# Altium PCB hellen1-72.PcbDoc (part 1 of 3)
Units mm, origin at the board's own origin, x right, y up, seen from the top; angles counter-clockwise.
Board outline 154 x 159 mm, 2 copper layers (Top Layer, Bottom Layer), stack 1.171 mm thick; 126 components, 209 nets, 837 pads, 488 vias.
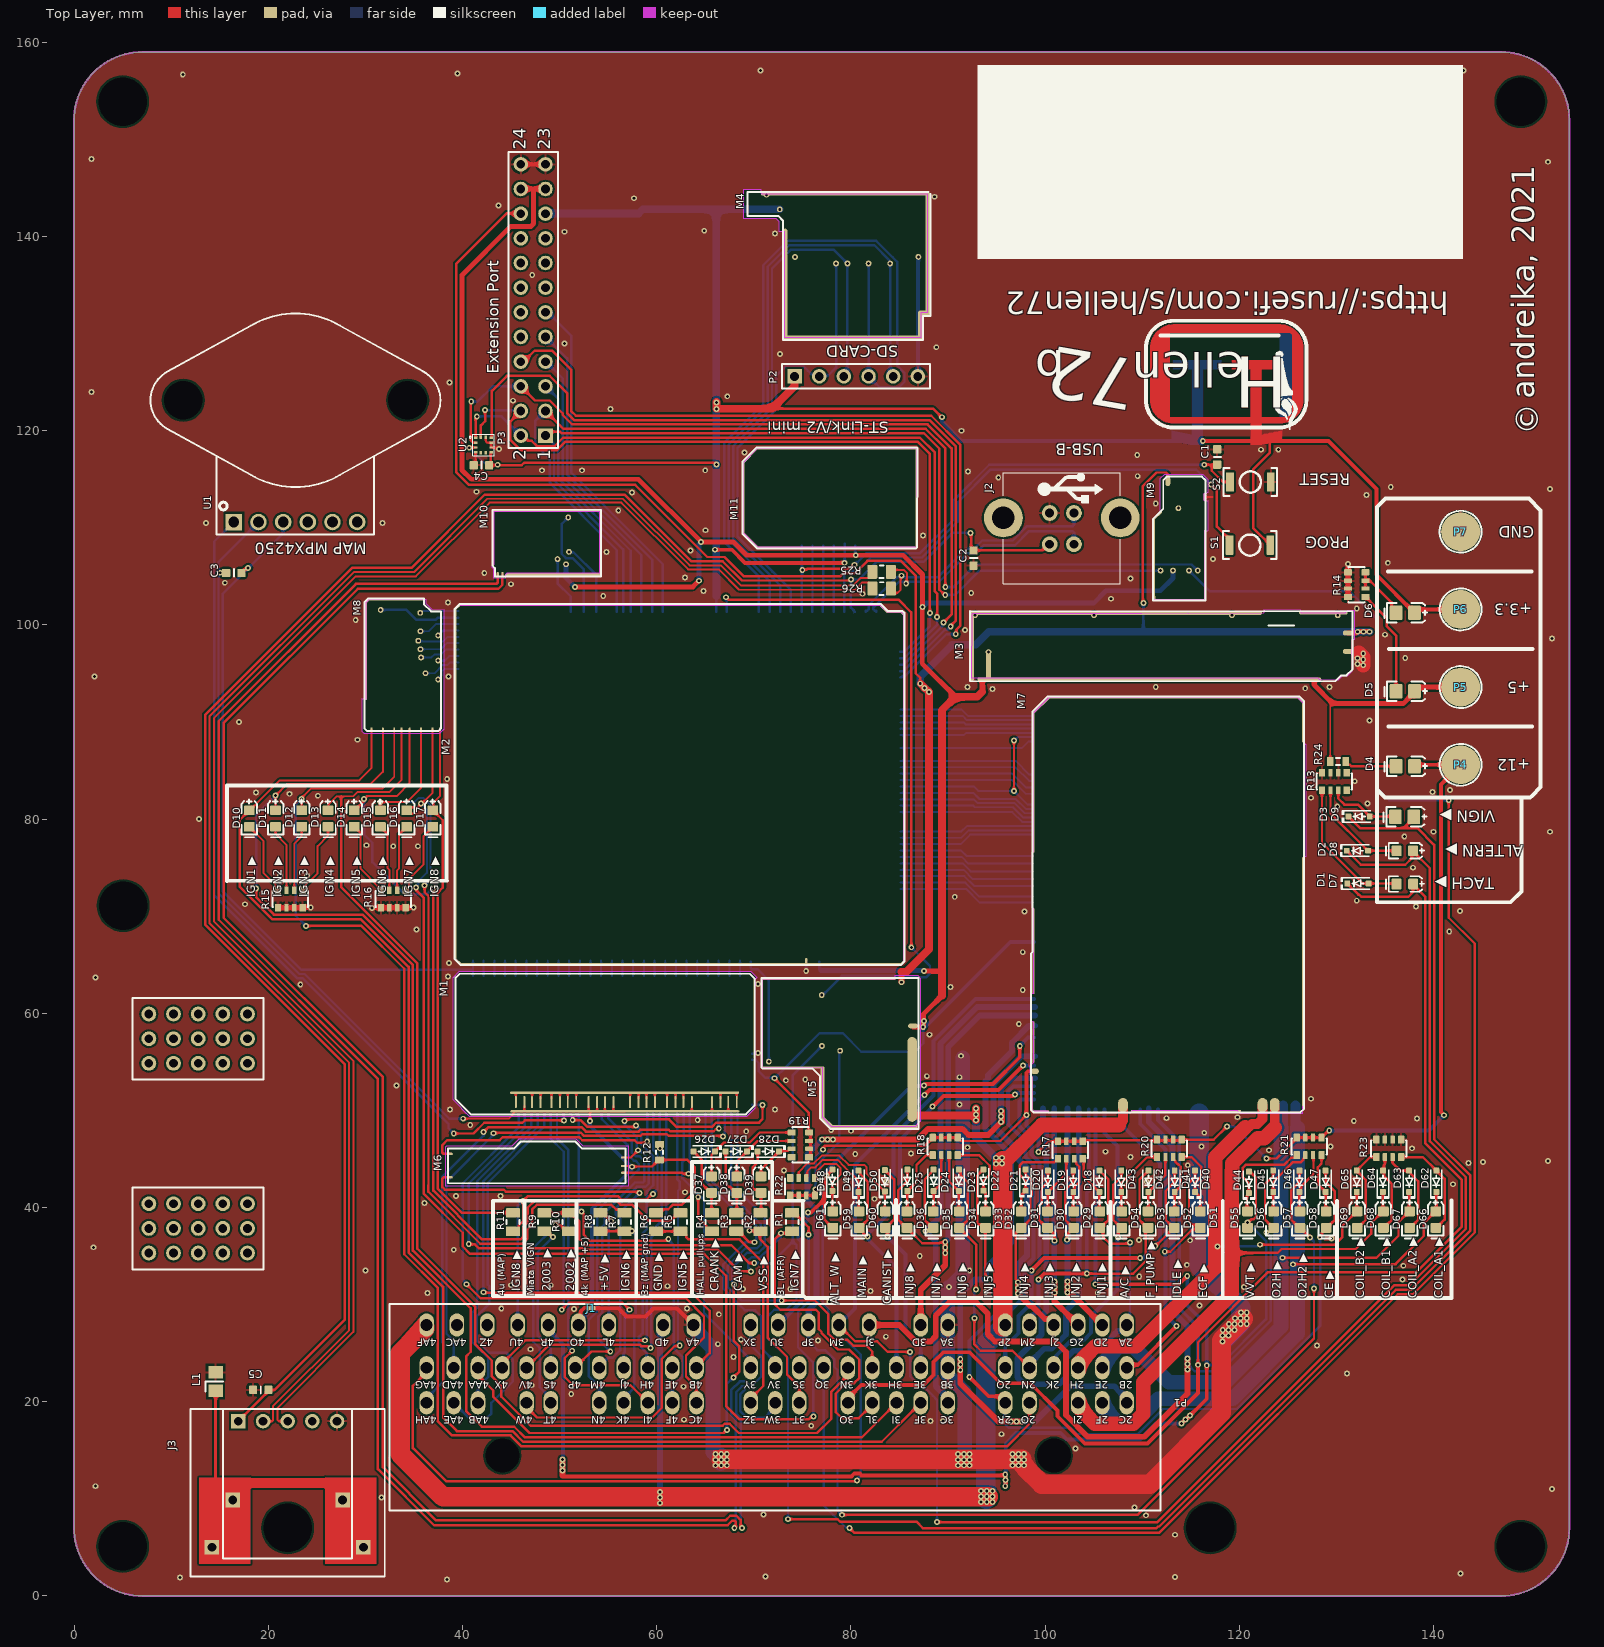
[diagram p0: Top Layer view]
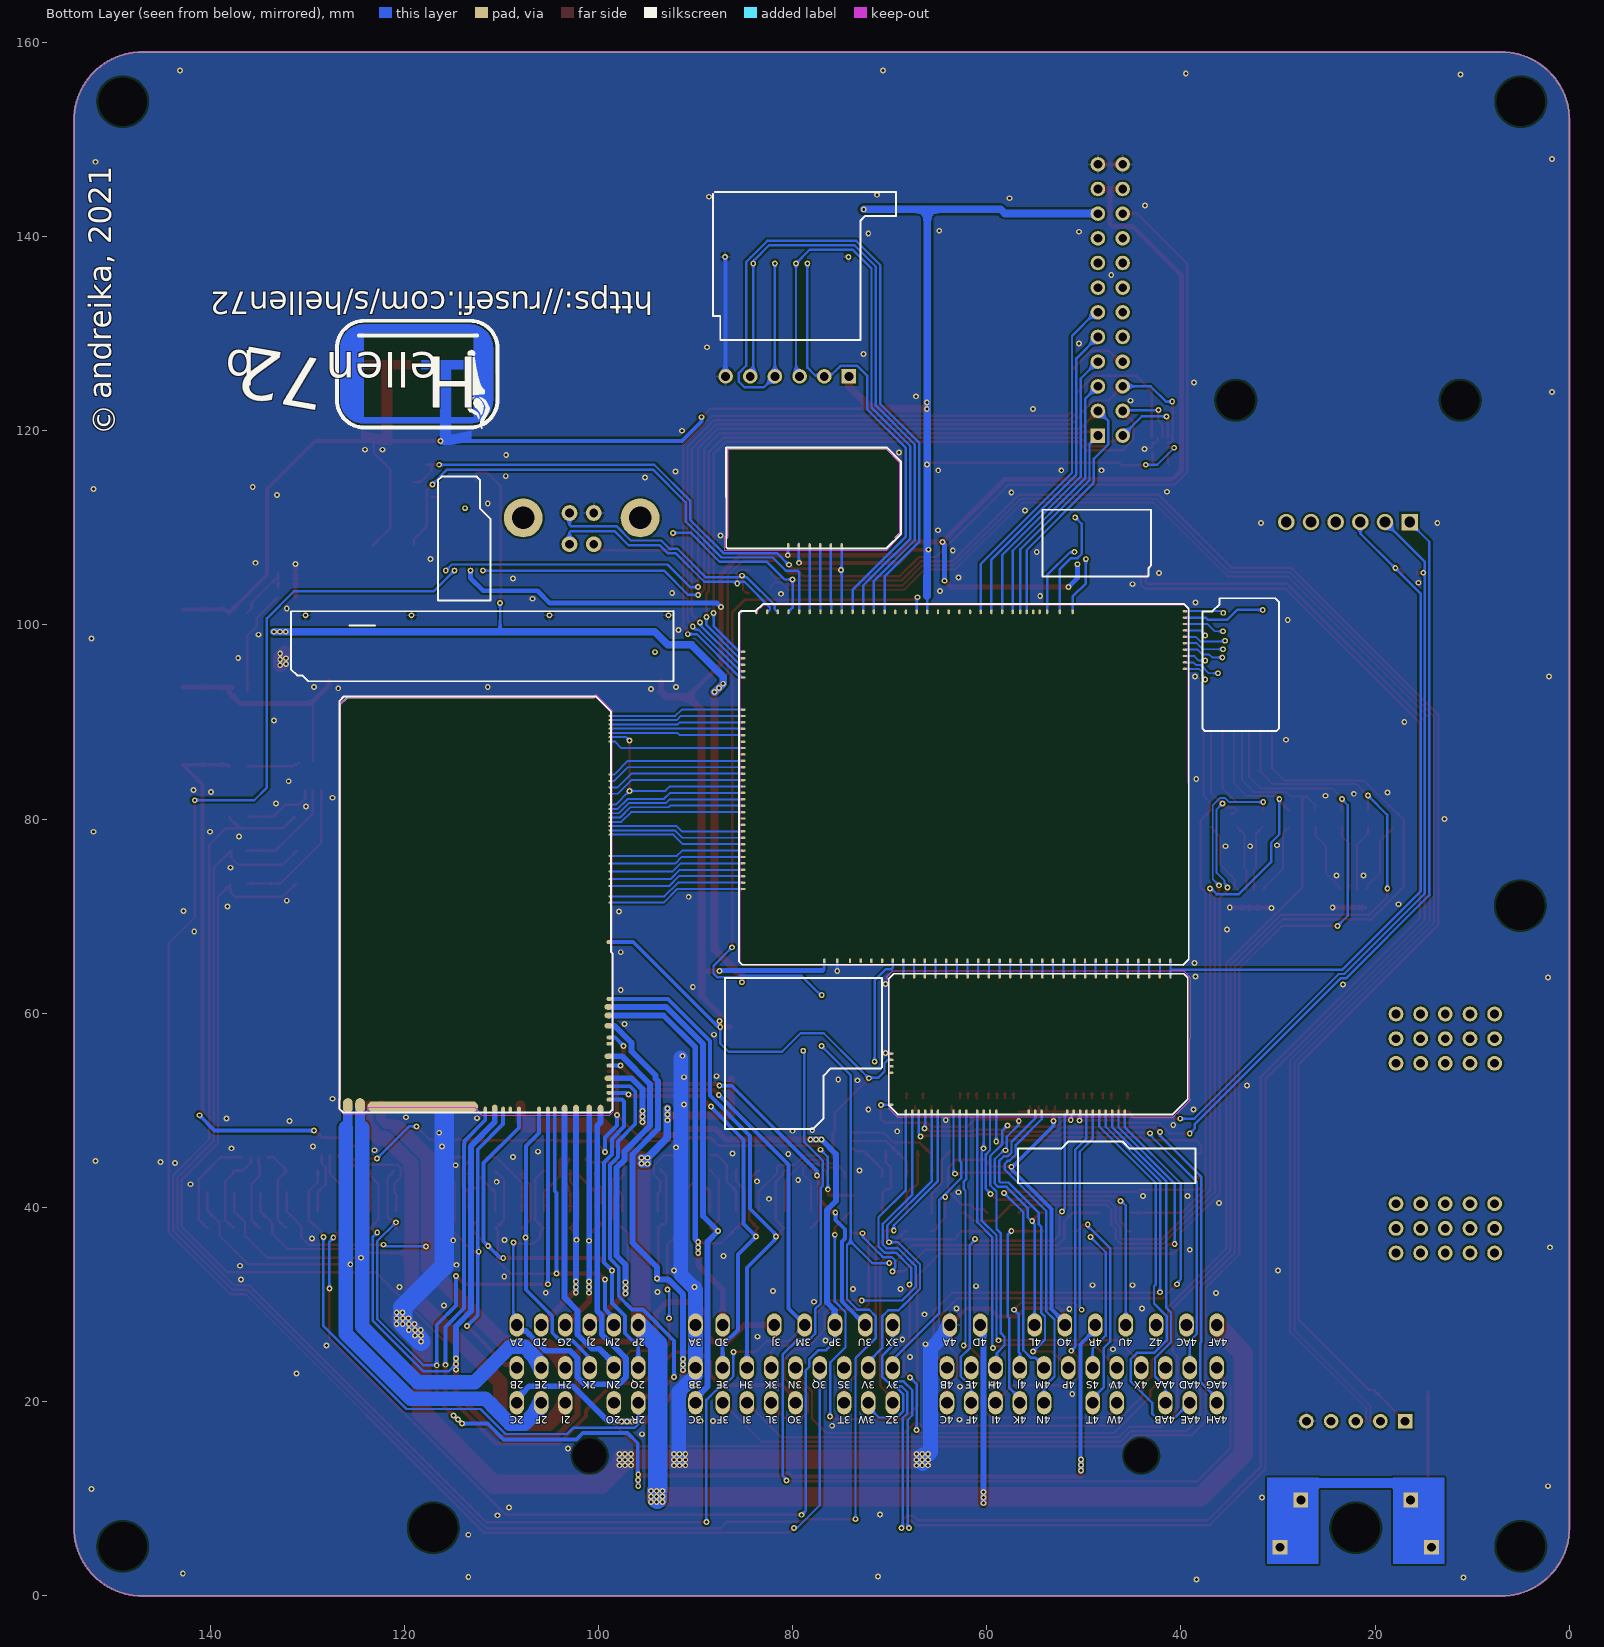
[diagram p1: Bottom Layer view, seen from below]
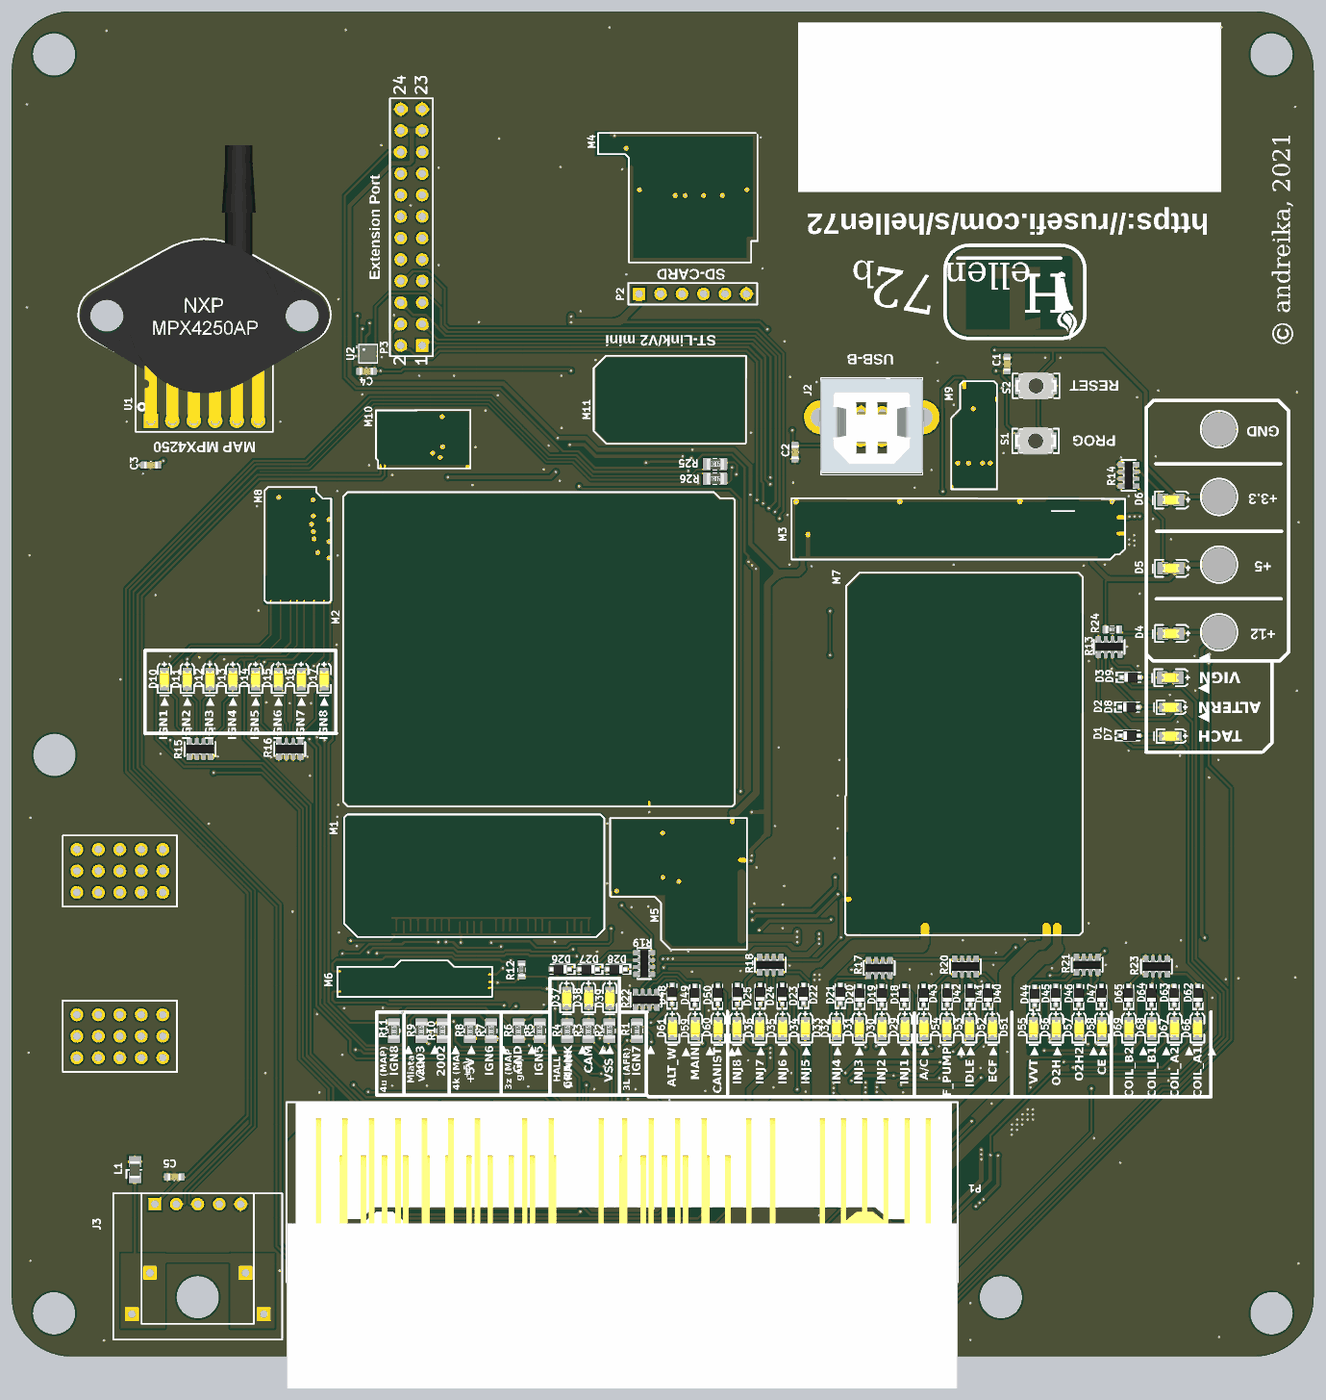
[diagram p4: 3D render of the assembled board from above, using the file's embedded part models]

## Layer stack, top to bottom
Top Solder: solder mask 0.0102, Solder Resist, Dk 3.5
Top Layer: signal copper 0.0356
Dielectric 1: dielectric 1.1, FR-4, Dk 4.8
Bottom Layer: signal copper 0.0356
Bottom Solder: solder mask 0.0102, Solder Resist, Dk 3.5

## Board outline
0,7 0,152 cw(c7,152) 7,159 147,159 cw(c147,152) 154,152 154,7 cw(c147,7) 147,0 7,0 cw(c7,7)

## Design rules (kind name [scope] priority, off if disabled: settings)
Clearance Clearance_Module_Keepout [IsKeepOut] p1: gap=0 ignorepadtopadclearanceinfootprint=FALSE
Clearance [All] p2: gap=0.2 ignorepadtopadclearanceinfootprint=FALSE
ComponentClearance ComponentClearance_MOD [HasParameterValue('Type', 'Module')] p1: gap=0 collisioncheckmode=3 verticalgap=0 showdistances=FALSE
ComponentClearance [All] p2: gap=0.254 collisioncheckmode=3 verticalgap=0.254 showdistances=FALSE
DiffPairsRouting [All] p1: maxlimit=0.5 minlimit=0.2 mostfreqgap=0.254 toplayer_minwidth=0.2 toplayer_maxwidth=0.381 toplayer_prefwidth=0.25 bottomlayer_minwidth=0.2 bottomlayer_maxwidth=0.381 bottomlayer_prefwidth=0.25 maxuncoupledlength=20
HoleSize [All] p1: absolutevalues=TRUE maxlimit=5 minlimit=0.3 maxpercent=80.000 minpercent=20.000
MinimumSolderMaskSliver [All] p1: minsoldermaskwidth=0.1
PolygonConnect PolygonConnect_GND [InNet('GND') vs InComponent('M1') Or InComponent('M2') Or InComponent('M3') Or InComponent('M4') Or InComponent('M5') Or InComponent('M6') Or InComponent('M7') Or InComponent('M8') Or InComponent('M9') Or InComponent('M10') Or InComponent('M11')] p1: thpad.connectstyle=Relief thpad.reliefconductorwidth=0.254 thpad.reliefentries=4 thpad.polygonreliefangle="90 Angle" thpad.airgapwidth=0.254 smdpad.connectstyle=Direct smdpad.reliefconductorwidth=0.254 smdpad.reliefentries=4 smdpad.polygonreliefangle="90 Angle" smdpad.airgapwidth=0.254 via.connectstyle=Direct via.reliefconductorwidth=0.254 via.reliefentries=4 via.polygonreliefangle="90 Angle" via.airgapwidth=0.254
PolygonConnect [All] p2: thpad.connectstyle=Relief thpad.reliefconductorwidth=0.254 thpad.reliefentries=4 thpad.polygonreliefangle="90 Angle" thpad.airgapwidth=0.254 smdpad.connectstyle=Relief smdpad.reliefconductorwidth=0.254 smdpad.reliefentries=4 smdpad.polygonreliefangle="90 Angle" smdpad.airgapwidth=0.254 via.connectstyle=Direct via.reliefconductorwidth=0.254 via.reliefentries=4 via.polygonreliefangle="90 Angle" via.airgapwidth=0.254
RoomDefinition hellen1-72 [InComponentClass('hellen1-72')] p1: confinementstyle=ConfineOut formatcopy=TRUE lockcomponents=FALSE outline 0.97,157.92 1.79,157.92 1.79,158.53 0.97,158.53
RoutingVias [All] p1: holewidth=0.711 width=1.27 viastyle="Through Hole" minholewidth=0.711 minwidth=1.27 maxholewidth=0.711 maxwidth=1.27 useviatemplates=TRUE viatemplateguid#1={898D0F1A-2B53-4B49-9042-71A24DC2CF39} viatemplatename#1=v60h30m0mx0
SilkToSilkClearance [All] p1: silktosilkclearance=0
SilkToSolderMaskClearance [IsPad] p1: minsilkscreentomaskgap=0 clearancetoexposedcopper=TRUE
SolderMaskExpansion [All] p1: expansion=0.07 istentingtop=FALSE
Width [All] p1: maxlimit=2 minlimit=0.2 preferedwidth=0.254
24 further rules are at their usual default settings.

## Classes and differential pairs
component class hellen1-72: C1 C2 C3 C4 C5 J1 J2 J3 L1 M1 M2 M3 M4 M5 M6 M7 M8 M9 M10 M11 P1 P2 P3 R1 R2 R3 R4 R5 R6 R7 R8 R9 R10 R11 R12 R25 R26 S1 S2 U1 U2
differential pair USB2: +USB2_P -USB2_N
differential pair USB: +USB_P -USB_N
differential pair CAN: +CAN_P -CAN_N

## Components (designator, comment, footprint, x,y, rotation, side; value= is the part's Value field where it differs from the comment)
C1 "100n" C0603 117.725,117.3 r90 top
C2 "100n" C0603 92.641,106.89 r90 top
C3 "100n" C0603 16.45,105.35 r180 top
C4 "100n" C0603 41.95,116.45 r180 top
C5 "100n" C0603 19.225,21.225 r0 top
D1 "1N4148WS" SOD-323 132.225,73.375 r0 top
D2 "1N4148WS" SOD-323 132.175,76.75 r0 top
D3 "1N4148WS" SOD-323 132.35,80.275 r0 top
D4 "0805-Green" LED-0805 137.1,85.45 r0 top
D5 "0805-Green" LED-0805 137.1,93.17 r0 top
D6 "0805-Green" LED-0805 137.1,101.25 r0 top
D7 "0603-White" LED-0603 137.1,73.37 r0 top
D8 "0603-White" LED-0603 137.1,76.78 r0 top
D9 "0805-Green" LED-0805 137.03,80.23 r0 top
D10 "0603-White" LED-0603 17.999,80.111 r90 top
D11 "0603-White" LED-0603 20.699,80.111 r90 top
D12 "0603-White" LED-0603 23.399,80.111 r90 top
D13 "0603-White" LED-0603 26.099,80.111 r90 top
D14 "0603-White" LED-0603 28.799,80.111 r90 top
D15 "0603-White" LED-0603 31.499,80.111 r90 top
D16 "0603-White" LED-0603 34.199,80.111 r90 top
D17 "0603-White" LED-0603 36.899,80.111 r90 top
D18 "1N4148WS" SOD-323 105.6,42.7 r90 top
D19 "1N4148WS" SOD-323 102.9,42.7 r90 top
D20 "1N4148WS" SOD-323 100.3,42.7 r90 top
D21 "1N4148WS" SOD-323 98,42.825 r90 top
D22 "1N4148WS" SOD-323 93.65,42.825 r90 top
D23 "1N4148WS" SOD-323 91.125,42.8 r90 top
D24 "1N4148WS" SOD-323 88.525,42.8 r90 top
D25 "1N4148WS" SOD-323 85.825,42.8 r90 top
D26 "1N4148WS" SOD-323 64.9,45.775 r180 top
D27 "1N4148WS" SOD-323 68.2,45.775 r180 top
D28 "1N4148WS" SOD-323 71.5,45.775 r180 top
D29 "0603-White" LED-0603 105.6,38.8 r90 top
D30 "0603-White" LED-0603 102.9,38.8 r90 top
D31 "0603-White" LED-0603 100.2,38.8 r90 top
D32 "0603-White" LED-0603 97.5,38.8 r90 top
D33 "0603-White" LED-0603 93.825,38.8 r90 top
D34 "0603-White" LED-0603 91.125,38.8 r90 top
D35 "0603-White" LED-0603 88.425,38.8 r90 top
D36 "0603-White" LED-0603 85.725,38.8 r90 top
D37 "0603-White" LED-0603 65.6,42.4 r90 top
D38 "0603-White" LED-0603 68.2,42.4 r90 top
D39 "0603-White" LED-0603 70.7,42.4 r90 top
D40 "1N4148WS" SOD-323 115.45,42.7 r90 top
D41 "1N4148WS" SOD-323 113.35,42.7 r90 top
D42 "1N4148WS" SOD-323 110.65,42.7 r90 top
D43 "1N4148WS" SOD-323 107.85,42.7 r90 top
D44 "1N4148WS" SOD-323 121,42.6 r90 top
D45 "1N4148WS" SOD-323 123.5,42.7 r90 top
D46 "1N4148WS" SOD-323 126.2,42.7 r90 top
D47 "1N4148WS" SOD-323 128.9,42.7 r90 top
D48 "1N4148WS" SOD-323 78.1,42.8 r90 top
D49 "1N4148WS" SOD-323 80.8,42.7 r90 top
D50 "1N4148WS" SOD-323 83.5,42.75 r90 top
D51 "0603-White" LED-0603 115.95,38.8 r90 top
D52 "0603-White" LED-0603 113.25,38.8 r90 top
D53 "0603-White" LED-0603 110.55,38.8 r90 top
D54 "0603-White" LED-0603 107.85,38.8 r90 top
D55 "0603-White" LED-0603 120.8,38.8 r90 top
D56 "0603-White" LED-0603 123.5,38.8 r90 top
D57 "0603-White" LED-0603 126.2,38.8 r90 top
D58 "0603-White" LED-0603 128.9,38.8 r90 top
D59 "0603-White" LED-0603 80.8,38.8 r90 top
D60 "0603-White" LED-0603 83.5,38.8 r90 top
D61 "0603-White" LED-0603 78.1,38.8 r90 top
D62 "1N4148WS" SOD-323 140.3,42.7 r90 top
D63 "1N4148WS" SOD-323 137.5,42.7 r90 top
D64 "1N4148WS" SOD-323 134.8,42.7 r90 top
D65 "1N4148WS" SOD-323 132.1,42.7 r90 top
D66 "0603-White" LED-0603 140.2,38.8 r90 top
D67 "0603-White" LED-0603 137.5,38.8 r90 top
D68 "0603-White" LED-0603 134.8,38.8 r90 top
D69 "0603-White" LED-0603 132.1,38.8 r90 top
J1 "Net Tie" NET-TIE 53.275,29.625 r180 top net-tie
J2 "USB-B" CONN-USB-B-VERTICAL 101.725,109.875 r270 top
J3 "USB-Adapter" MODULE-USB-MINI 22,18 r0 top
L1 "GZ2012D101TF" L0805 14.575,22.075 r270 top
M1 "Module:input/0.1" MOD_Hellen_Input 39.2,49.5 r0 top locked
M2 "Module:mcu/0.1" MOD_HELLEN_MCU 39.1,64.9 r0 top locked
M3 "Module:power5/0.1" MOD_HELLEN_POWER_5 92.15,94.1 r0 top locked
M4 "Module:sd/0.1" MOD_HELLEN_SD 69.25,129.23 r0 top locked
M5 "Module:power12/0.1" MOD_HELLEN_POWER_12 70.675,48 r0 top locked
M6 "Module:knock/0.1" MOD_HELLEN_KNOCK 38.425,42.4 r0 top locked
M7 "Module:output/0.1" MOD_Hellen_OUTPUT 98.5,49.7 r0 top locked
M8 "Module:ign8/0.1" MOD_Hellen_IGN8 29.9,88.975 r0 top
M9 "Module:lin/0.1" MOD_HELLEN_LIN 111.025,102.4 r0 top locked
M10 "Module:can/0.1" MOD_HELLEN_CAN 42.97,104.88 r0 top locked
M11 "Module:stlink/0.1" MOD_HELLEN_STLINK 68.725,107.775 r0 top
P1 "TE-1123038-2" CONN-TE-72-PIN 72.35,13.125 r180 top locked
P2 "External SD-Card Board" HDR1X6 74.2,125.6 r0 top
P3 "Ext.Port" HDR2X12 48.55,119.5 r90 top locked
P4 "+12" PAD-SMD-4.0 142.8,85.6 r0 top
P5 "+5" PAD-SMD-4.0 142.8,93.6 r0 top
P6 "+3.3" PAD-SMD-4.0 142.8,101.6 r0 top
P7 "GND" PAD-SMD-4.0 142.8,109.6 r0 top
R1 "0" R0805 73.95,38.5 r90 top
R2 "0" R0805 70.7,38.5 r90 top
R3 "0" R0805 68.2,38.5 r90 top
R4 "0" R0805 65.7,38.5 r90 top
R5 "0" R0805 62.45,38.5 r90 top
R6 "0" R0805 59.95,38.5 r90 top
R7 "0" R0805 56.7,38.5 r90 top
R8 "0" R0805 54.2,38.5 r90 top
R9 "0" R0805 48.45,38.5 r90 top
R10 "0" R0805 50.95,38.5 r90 top
R11 "0" R0805 45.2,38.5 r90 top
R12 "1k" R0603 60.3,45.7 r90 top
R13 "4k7" R0603_x4 129.8,83.87 r90 top
R14 "470" R0603_x4 132.1,104.15 r180 top
R15 "470" R0603_x4 22.274,71.786 r270 top
R16 "470" R0603_x4 32.874,71.786 r270 top
R17 "4k7" R0603_x4 102.6,45.925 r90 top
R18 "4k7" R0603_x4 89.725,46.3 r90 top
R19 "470" R0603_x4 74.8,46.45 r0 top
R20 "4k7" R0603_x4 112.8,46.1 r90 top
R21 "4k7" R0603_x4 127.2,46.3 r90 top
R22 "4k7" R0603_x4 75.025,42.15 r270 top
R23 "4k7" R0603_x4 135.4,46.1 r90 top
R24 "2.2k" R0603 130.175,85.925 r0 top
R25 "0" R0805 83.175,105.475 r0 top
R26 "0" R0805 83.175,103.75 r0 top
S1 "Switch SPST" BUTTON-SKRK 121.1,108.225 r0 top
S2 "Switch SPST" BUTTON-SKRK 121.15,114.725 r0 top
U1 "Abs. Pressure Sensor" MPX4250AP 22.8,110.6 r90 top
U2 "QMA7981" LGA12 42.15,118.525 r0 top

## Footprints (in the part's own frame and the unit in brackets; to place one, negate y for a bottom-side part, rotate by r counter-clockwise, add the part's x,y. Pads: shape width x height; smd on the part's side, far side on the other; paste and mask are expansions set on the pad)
BUTTON-SKRK [mm] "SMT Button SKRK Series; 4.8 x 2.9 mm"
  rrect20% 0.8x2 smd: 1(-2.1,0) 2(2.1,0)
  silkscreen extent -2.75,-1.45 2.75,1.45, body extent -2.4,-1.6 2.4,1.6, height 2
C0603 [mm] "Chip Capacitor; Body 1.6 x 0.8 mm (LxW typ)"
  rrect20% 0.85x0.85 smd: 1(-0.79,0) 2(0.79,0)
  silkscreen extent 0,-0.4 0,0.35, body extent -0.8,-0.41 0.8,0.41, height 0.82
CONN-TE-72-PIN [mm] "TE 1123038-2 / 353830-5 (Miata)"
  oval 1.5x2.4 hole 1.2: 2A(-36.05,-14.775) 2B(-36.05,-10.375) 2C(-36.05,-6.775) 2D(-33.55,-14.775) 2E(-33.55,-10.375) 2F(-33.55,-6.775) 2G(-31.05,-14.775) 2H(-31.05,-10.375) 2I(-31.05,-6.775) 2J(-28.55,-14.775) 2K(-28.55,-10.375) 2M(-26.05,-14.775) 2N(-26.05,-10.375) 2O(-26.05,-6.775) 2P(-23.55,-14.775) 2Q(-23.55,-10.375) 2R(-23.55,-6.775) 3A(-17.65,-14.775) 3B(-17.65,-10.375) 3C(-17.65,-6.775) 3D(-14.85,-14.775) 3E(-14.85,-10.375) 3F(-14.85,-6.775) 3H(-12.35,-10.375) 3I(-12.35,-6.775) 3J(-9.54,-14.775) 3K(-9.85,-10.375) 3L(-9.85,-6.775) 3M(-6.41,-14.775) 3N(-7.35,-10.375) 3O(-7.35,-6.775) 3P(-3.28,-14.775) 3Q(-4.85,-10.375) 3S(-2.35,-10.375) 3T(-2.35,-6.775) 3U(-0.15,-14.775) 3V(0.15,-10.375) 3W(0.15,-6.775) 3X(2.65,-14.775) 3Y(2.65,-10.375) 3Z(2.65,-6.775) 4A(8.55,-14.775) 4AA(30.75,-10.375) 4AB(30.75,-6.775) 4AC(32.92,-14.775) 4AD(33.25,-10.375) 4AE(33.25,-6.775) 4AF(36.05,-14.775) 4AG(36.05,-10.375) 4AH(36.05,-6.775) 4B(8.25,-10.375) 4C(8.25,-6.775) 4D(11.68,-14.775) 4E(10.75,-10.375) 4F(10.75,-6.775) 4H(13.25,-10.375) 4I(13.25,-6.775) 4J(15.75,-10.375) 4K(15.75,-6.775) 4L(17.27,-14.775) 4M(18.25,-10.375) 4N(18.25,-6.775) 4O(20.4,-14.775) 4P(20.75,-10.375) 4R(23.53,-14.775) 4S(23.25,-10.375) 4T(23.25,-6.775) 4U(26.66,-14.775) 4V(25.75,-10.375) 4W(25.75,-6.775) 4X(28.25,-10.375) 4Z(29.79,-14.775)
  round 0 hole 3.5 unplated: _1(28.25,-1.325) ""(-28.55,-1.325)
  silkscreen extent -39.55,-16.93 39.85,4.35, body extent -39.55,-16.93 39.85,16.93, height 22.77
CONN-USB-B-VERTICAL [mm]
  round 1.626 hole 0.914: 1(1.56,-1.25) 2(1.56,1.25) 3(-1.655,1.25) 4(-1.655,-1.25)
  round 4 hole 2.3: MH(-1.15,6.02) MH_1(-1.15,-6.02)
  silkscreen extent -5.8,-6.02 5.65,6.02, body extent -5.7,-7.36 5.5,7.34, height 16
HDR1X6 [mm] "Connector; Header; 6 Position"
  rect 1.5x1.5 hole 0.9: 1(0,0)
  round 1.5 hole 0.9: 2(2.54,0) 3(5.08,0) 4(7.62,0) 5(10.16,0) 6(12.7,0)
  silkscreen extent -1.27,-1.27 13.97,1.27
HDR2X12 [mm] "Connector; Header; 12x2 Position"
  rect 1.5x1.5 hole 0.9: 1(0,0)
  round 1.5 hole 0.9: 2(0,2.54) 3(2.54,0) 4(2.54,2.54) 5(5.08,0) 6(5.08,2.54) 7(7.62,0) 8(7.62,2.54) 9(10.16,0) 10(10.16,2.54) 11(12.7,0) 12(12.7,2.54) 13(15.24,0) 14(15.24,2.54) 15(17.78,0) 16(17.78,2.54) 17(20.32,0) 18(20.32,2.54) 19(22.86,0) 20(22.86,2.54) 21(25.4,0) 22(25.4,2.54) 23(27.94,0) 24(27.94,2.54)
  silkscreen extent -1.27,-1.27 29.21,3.81
L0805 [mm] "Chip Inductor; Body 2.0 x 1.2 mm (LxW typ)"
  rect 1.3x1.5 smd: 1(-0.95,0) 2(0.95,0)
  silkscreen extent 0,-1.02 1,0.76, body extent -1,-0.6 1,0.6, height 0.9
LED-0603 [mm] "Chip LED 0603; Body 1.6 x 0.8 mm (LxW typ)"
  rrect20% 1x1.1 smd: 1(0.8,-0.05) 2(-0.9,-0.05)
  silkscreen extent -1.98,-0.85 1.92,0.75, body extent -1.06,-0.68 0.96,0.57, height 1.1